# Altium PCB ISS_LAB_PCB.PcbDoc (part 6 of 8)
Units mm, origin at the board's own origin, x right, y up, seen from the top; angles counter-clockwise.
Board outline 247.67 x 135.97 mm, 2 copper layers (Top Layer, Bottom Layer); 165 components, 0 nets, 6045 pads, 3214 vias.
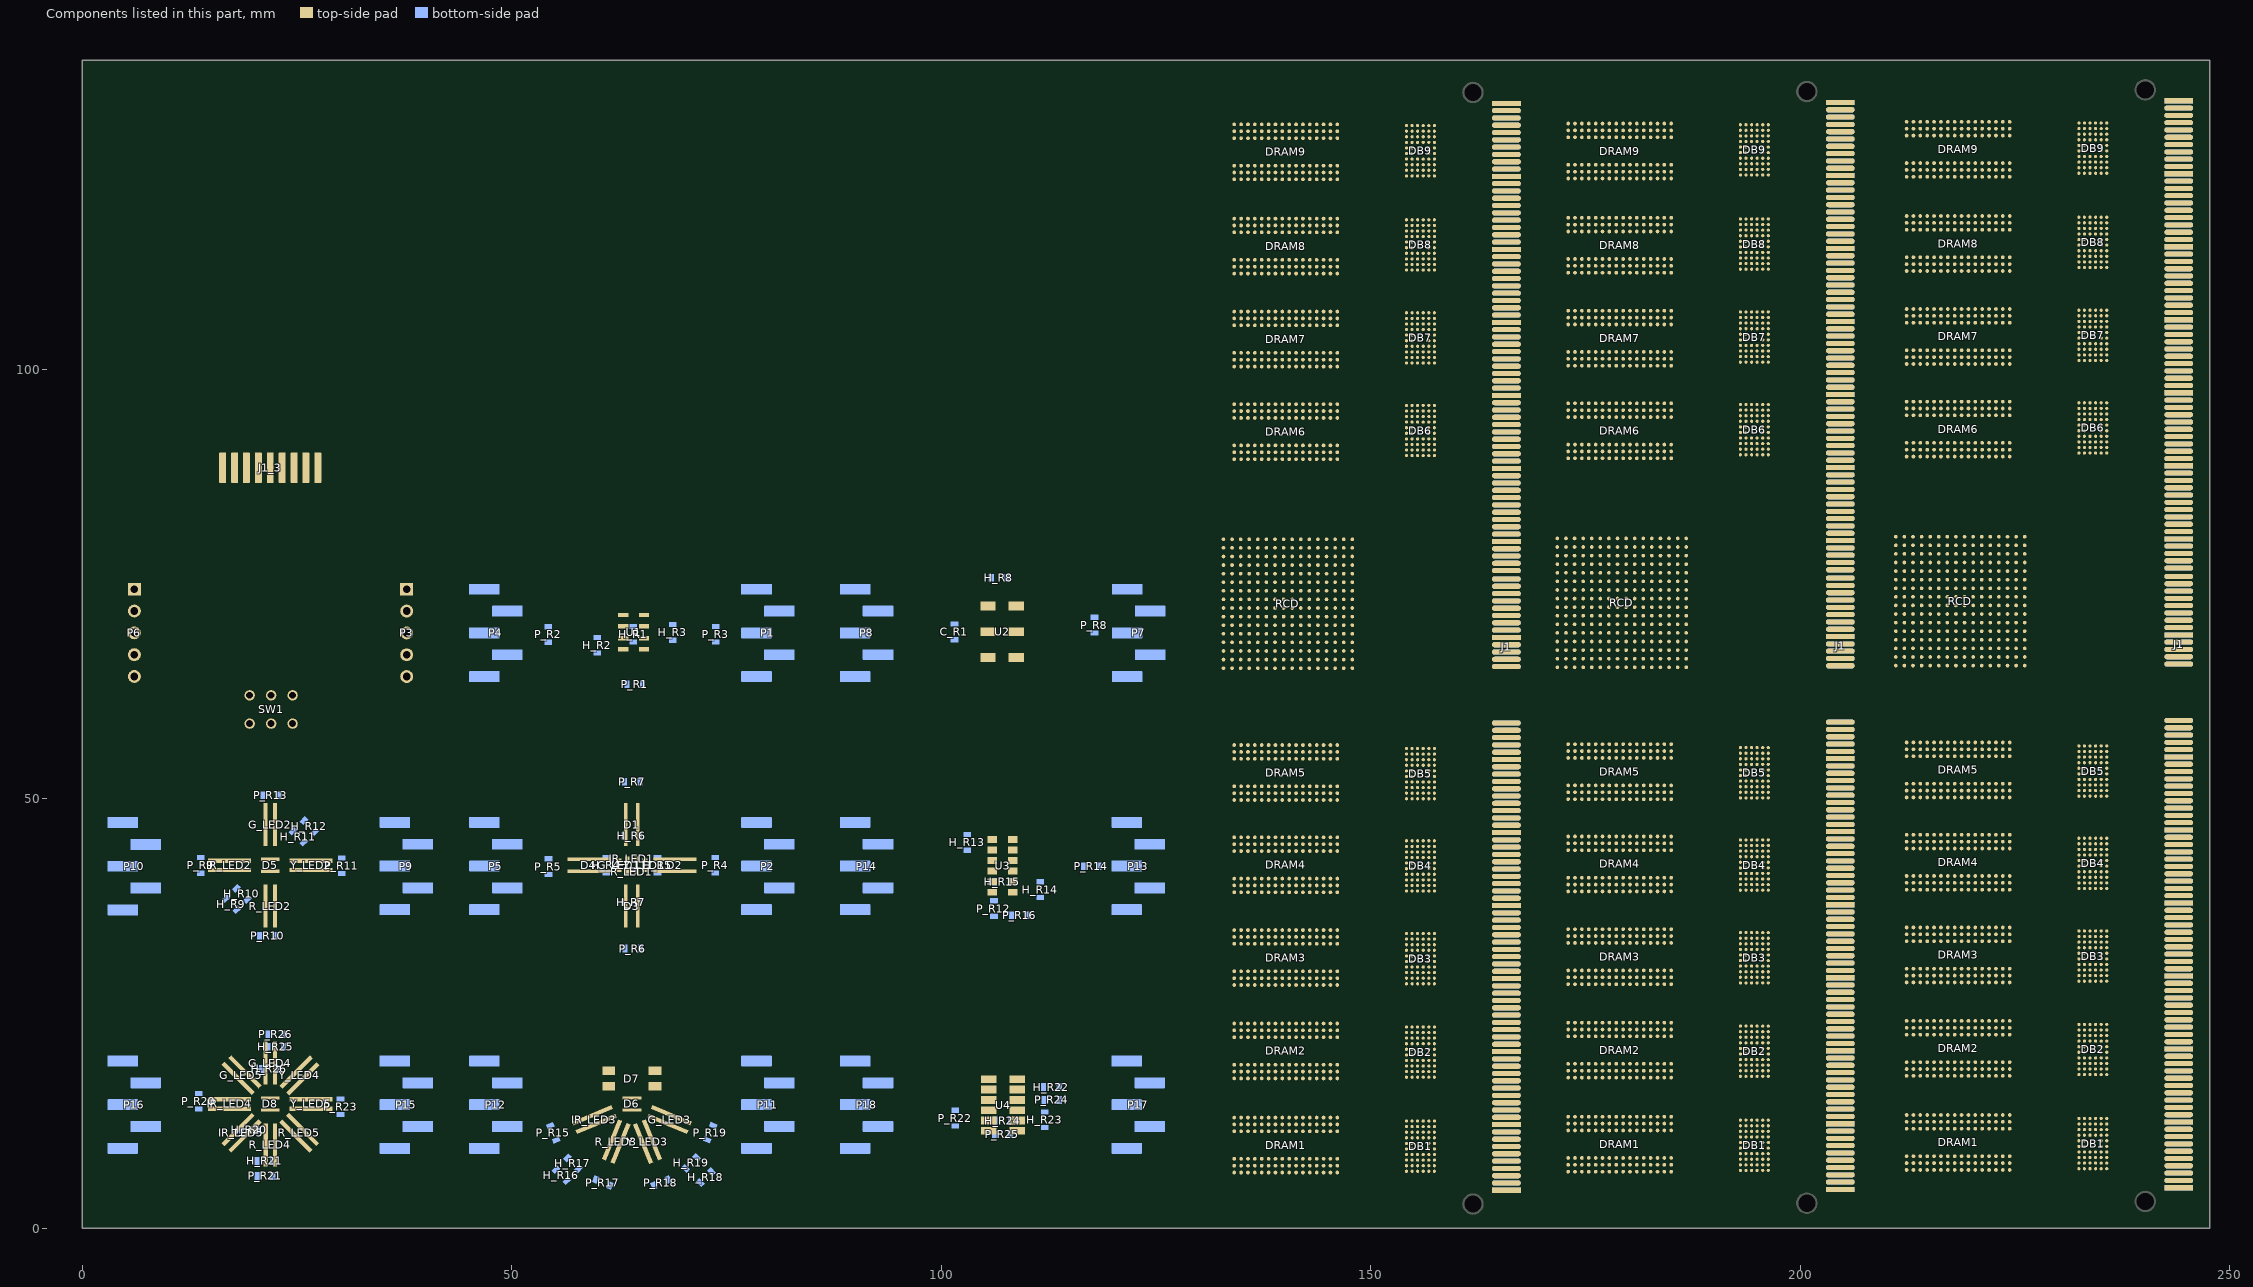
[diagram p6: the components of this part, seen from the top]

## Via types
v1: diameter 0.45, hole 0.203, Top Layer to Bottom Layer, 2685 vias
v2: diameter 1, hole 0.6, Top Layer to Bottom Layer, tented both sides, 414 vias
v3: diameter 0.6, hole 0.3, Top Layer to Bottom Layer, 52 vias
v4: diameter 0.6, hole 0.3, Top Layer to Bottom Layer, tented top, 33 vias
v5: diameter 0.8, hole 0.4, Top Layer to Bottom Layer, 21 vias
v6: diameter 3.5, hole 3.1, Top Layer to Bottom Layer, 3 vias
v7: diameter 2, hole 1.6, Top Layer to Bottom Layer, 3 vias
v8: diameter 1, hole 0.5, Top Layer to Bottom Layer, 3 vias

## Nets (pads, with @x,y where several pads share a name; then routed paths per layer and width w, separated by ;. In a path a pad name is that pad's centre, name@x,y a point inside that pad or via, vN(x,y) a via of type N, cw(c..) or ccw(c..) an arc to the next point about the centre after c; other vN are vias at no path point) (continued)
copper on no net: (continued)
  Top Layer w0.089: 221.985,123.991 222.053,124.059 222.053,124.237 v1(222.429,124.614) ; 221.985,127.191 221.985,127.179 222.48,126.684 v1(222.48,126.671) ; 222.131,71.49 222.185,71.49 222.604,71.07 v1(222.658,71.07) ; v1(222.15,63.984) 223.131,64.965 223.131,65.49 ; v1(222.353,27.535) 222.353,28.421 222.371,28.44 222.371,28.76 222.353,28.779 222.353,28.968 222.785,29.4 ; v1(222.353,41.556) 222.353,41.494 222.785,41.062 222.785,40.995 ; v1(222.378,19.915) 222.422,19.871 222.422,19.686 222.785,19.323 ; v1(222.378,38.355) 222.378,39.788 222.785,40.195 ; v1(222.378,91.949) 222.378,91.887 222.785,91.481 222.785,91.419 ; v1(222.404,5.513) 222.404,6.606 222.399,6.611 222.399,6.931 222.404,6.936 222.404,7.19 222.785,7.571 ; v1(222.404,16.714) 222.404,17.558 222.399,17.563 222.399,17.883 222.404,17.888 222.404,18.142 222.785,18.523 ; v1(222.404,30.811) 222.44,30.775 222.44,30.545 222.785,30.2 ; v1(222.404,99.544) 222.404,100.434 222.399,100.439 222.399,100.759 222.404,100.764 222.404,101.018 222.785,101.399 ; v1(222.404,121.54) 222.404,122.226 222.399,122.231 222.399,122.551 222.404,122.556 222.404,122.81 222.785,123.191 ; v1(222.429,9.069) 222.736,8.762 222.736,8.42 222.785,8.371 ; v1(222.429,52.325) 222.464,52.29 222.464,52.059 222.785,51.738 ; v1(222.429,88.952) 222.429,89.628 222.399,89.659 222.399,89.979 222.429,90.01 222.429,90.263 222.785,90.619 ; v1(222.429,110.313) 222.399,110.344 222.399,111.838 222.785,112.224 ; v1(222.455,48.896) 222.455,50.608 222.785,50.938 ; v1(222.607,81.459) 222.607,81.008 223.125,80.49 223.131,80.49 ; v1(222.632,72.036) 222.677,72.036 223.131,72.49 ; v1(222.658,73.991) 222.658,74.004 223.131,74.477 223.131,74.49 ; v1(222.683,72.95) 222.683,72.996 223.131,73.444 223.131,73.49 ; 222.785,11.571 226.139,8.217 232.438,8.217 ; 222.785,12.371 223.198,11.957 224.697,11.957 227.137,9.517 232.438,9.517 ; 222.785,22.523 226.139,19.169 232.438,19.169 ; 222.785,23.323 223.196,22.912 224.69,22.912 227.133,20.469 232.438,20.469 ; 222.785,33.4 226.139,30.046 232.438,30.046 ; 222.785,34.2 223.197,33.788 224.661,33.788 225.264,33.185 225.264,33.184 227.102,31.346 232.438,31.346 ; 222.785,44.195 226.139,40.841 232.438,40.841 ; 222.785,44.995 223.199,44.581 224.866,44.581 225.416,44.031 225.416,43.953 227.229,42.141 232.438,42.141 ; 222.785,54.938 226.139,51.584 232.438,51.584 ; 222.785,55.738 223.185,55.338 224.955,55.338 225.442,54.852 225.442,54.799 227.357,52.884 232.438,52.884 ; 222.785,94.619 225.875,91.529 232.438,91.529 ; 222.785,95.419 222.795,95.419 223.166,95.048 224.944,95.048 227.163,92.829 232.438,92.829 ; 222.785,102.199 222.785,102.276 223.217,102.708 v1(223.217,102.77) ; 222.785,105.399 225.875,102.309 232.438,102.309 ; 222.785,106.199 223.192,105.792 224.842,105.792 227.025,103.609 232.438,103.609 ; 222.785,113.024 223.122,113.361 223.122,113.521 v1(223.166,113.565) ; 222.785,116.224 225.875,113.134 232.438,113.134 ; 222.785,117.024 223.154,116.655 223.407,116.655 223.425,116.638 223.59,116.638 223.617,116.61 223.745,116.61 223.768,116.587 224.202,116.587 224.225,116.61 224.545,116.61 224.568,116.587 224.868,116.587 227.021,114.434 232.438,114.434 ; 222.785,123.991 222.785,124.048 223.242,124.505 v1(223.242,124.563) ; 222.785,127.191 225.875,124.101 232.438,124.101 ; 222.785,127.991 223.191,127.585 225.063,127.585 227.248,125.401 232.438,125.401 ; 223.131,71.49 223.155,71.49 223.625,71.02 v1(223.648,71.02) ; v1(223.496,63.984) 224.131,64.619 224.131,65.49 ; 223.585,7.571 223.585,7.507 223.907,7.185 227.981,7.185 228.364,7.567 232.438,7.567 ; 223.585,8.371 223.991,8.777 223.991,9.031 v1(224.004,9.044) ; 223.585,18.523 223.995,18.113 224.666,18.113 225.072,18.519 232.438,18.519 ; 223.585,19.323 223.935,19.673 223.935,19.846 v1(223.979,19.889) ; 223.585,29.4 223.971,29.014 224.797,29.014 225.179,29.396 232.438,29.396 ; 223.585,30.2 223.585,30.545 v1(223.852,30.811) ; 223.585,40.195 223.971,39.809 224.822,39.809 225.205,40.191 232.438,40.191 ; 223.585,40.995 223.928,41.338 v1(223.928,41.632) ; 223.585,50.938 223.971,50.552 224.974,50.552 225.356,50.934 232.438,50.934 ; 223.585,51.738 223.909,52.062 223.909,52.231 v1(223.953,52.274) ; 223.585,90.619 223.971,90.233 224.675,90.233 225.321,90.879 232.438,90.879 ; 223.585,91.419 223.874,91.708 223.874,91.972 v1(223.877,91.975) ; 223.585,101.399 223.971,101.013 224.685,101.013 225.332,101.659 232.438,101.659 ; 223.585,102.199 223.877,102.491 v1(223.877,102.795) ; 223.585,112.224 223.972,111.837 224.588,111.837 225.235,112.484 232.438,112.484 ; 223.585,113.024 223.909,113.348 223.909,113.546 v1(223.953,113.59) ; 223.585,123.191 223.971,122.805 224.837,122.805 225.483,123.451 232.438,123.451 ; 223.585,123.991 223.585,124.057 224.004,124.476 v1(224.004,124.537) ; v1(223.648,72.975) 223.648,72.991 224.131,73.474 224.131,73.49 ; v1(223.648,73.966) 223.648,73.987 224.131,74.469 224.131,74.49 ; v1(223.648,74.982) 223.648,74.995 224.131,75.477 224.131,75.49 ; v1(223.674,72.01) 223.674,72.021 224.131,72.479 224.131,72.49 ; v1(223.826,26.57) 225.02,26.57 226.519,28.068 233.06,28.068 233.738,28.746 ; v1(223.877,98.655) 224.995,98.655 226.544,100.204 232.933,100.204 233.738,101.009 ; v1(223.902,88.114) 225.274,88.114 226.493,89.333 232.842,89.333 233.738,90.229 ; v1(223.902,109.45) 223.953,109.399 225.198,109.399 226.696,110.898 232.802,110.898 233.738,111.834 ; v1(223.953,37.39) 224.029,37.466 225.147,37.466 226.519,38.838 232.716,38.838 232.742,38.863 233.06,38.863 233.738,39.541 ; v1(223.953,48.033) 223.979,48.058 225.299,48.058 226.696,49.455 232.909,49.455 233.738,50.284 ; v1(223.979,15.952) 225.376,15.952 226.468,17.045 232.914,17.045 233.738,17.869 ; v1(223.979,120.6) 223.979,120.575 224.004,120.55 225.655,120.55 227.052,121.947 232.884,121.947 233.738,122.801 ; v1(224.029,4.649) 227.712,4.649 229.211,6.148 232.969,6.148 233.738,6.917 ; 224.131,67.49 224.615,67.006 v1(224.664,67.006) ; 224.131,71.49 224.677,72.036 227.865,72.036 233.522,77.693 244.07,77.693 ; 224.131,80.49 224.08,80.541 224.08,80.722 v1@223.556,81.247 ; 224.385,11.571 224.842,11.114 v1(224.842,11.096) ; 224.385,22.523 224.867,22.041 225.052,22.041 v1(225.096,21.998) ; 224.385,33.4 224.489,33.4 v1(224.868,33.021) ; 224.385,44.195 224.713,43.867 v1(225.02,43.867) ; 224.385,54.938 224.437,54.938 224.688,54.687 v1(225.045,54.687) ; 224.385,94.619 224.693,94.311 v1(225.02,94.311) ; 224.385,105.399 224.754,105.03 v1(225.045,105.03) ; 224.385,116.224 224.733,115.876 v1(225.071,115.876) ; 224.385,127.191 224.663,126.913 v1(225.175,126.913) ; v1(224.487,81.357) 224.53,81.314 224.53,81.091 225.131,80.49 ; v1(224.664,73.966) 224.664,73.995 225.131,74.461 225.131,74.49 ; v1(224.766,63.984) 225.131,64.349 225.131,65.49 ; v1(224.868,27.84) 224.911,27.883 225.115,27.883 225.977,28.746 232.438,28.746 ; v1(224.893,5.869) 228.068,5.869 229.116,6.917 232.438,6.917 ; v1(225.02,38.711) 225.85,39.541 232.438,39.541 ; v1(225.071,49.379) 225.976,50.284 232.438,50.284 ; v1(225.071,100.128) 225.952,101.009 232.438,101.009 ; v1(225.075,89.263) 226.041,90.229 232.438,90.229 ; v1(225.122,110.872) 225.122,111.025 225.909,111.812 232.416,111.812 232.438,111.834 ; 225.131,66.49 225.503,66.118 225.503,65.661 225.515,65.649 225.515,65.331 225.503,65.319 v1(225.503,63.984) ; 225.131,67.49 225.589,67.032 v1(225.604,67.032) ; 225.131,68.49 225.187,68.49 v1(225.63,68.048) ; 225.131,69.49 225.608,69.013 v1(225.655,69.013) ; 225.131,70.49 225.194,70.49 225.68,70.004 226.569,70.004 v1(234.113,62.46) ; 225.131,71.49 225.131,71.466 225.604,70.993 v1(225.604,70.969) ; 225.131,72.49 225.588,72.49 226.013,72.915 226.991,72.915 233.47,79.393 244.07,79.393 ; 225.131,73.49 225.607,73.966 226.417,73.966 233.544,81.093 244.07,81.093 ; 225.131,75.49 225.169,75.528 225.169,75.817 225.655,76.303 225.655,77.598 225.96,77.903 226.265,77.903 232.855,84.493 244.07,84.493 ; v1(225.147,17.172) 225.147,17.197 225.782,17.832 232.401,17.832 232.438,17.869 ; v1(225.147,121.845) 226.103,122.801 232.438,122.801 ; v1(226.06,44.783) 232.396,44.783 232.438,44.741 ; v1(226.061,45.366) 226.074,45.378 232.425,45.378 232.438,45.391 ; v1(226.112,63.984) 226.131,64.003 226.131,65.49 ; 226.131,67.49 232.437,61.184 v1@232.437,57.177 ; 226.131,68.49 226.131,68.033 234.784,59.38 v1(234.784,56.731) ; 226.131,69.49 226.747,68.874 v1(226.747,68.861) ; 226.131,70.49 226.845,70.49 v1(233.554,63.781) ; 226.131,71.49 226.473,71.832 228.448,71.832 233.459,76.843 244.07,76.843 ; 226.131,72.49 226.821,72.49 v1(226.849,72.518) ; 226.131,73.49 226.551,73.49 226.823,73.763 226.823,73.915 v1(226.849,73.941) ; 226.131,74.49 226.773,75.132 226.773,75.719 v1(226.798,75.744) ; 226.131,75.49 226.131,75.915 226.747,76.531 226.747,77.7 v1(226.722,77.725) ; v1(226.315,9.247) 226.695,8.867 232.438,8.867 ; v1(226.315,20.194) 226.691,19.819 232.438,19.819 ; v1(226.315,23.09) 226.336,23.069 232.438,23.069 ; v1(226.341,41.987) 226.837,41.491 232.438,41.491 ; v1(226.341,52.681) 226.788,52.234 232.438,52.234 ; v1(226.341,128.322) 232.117,128.322 232.438,128.001 ; v1(226.366,23.75) 226.397,23.719 232.438,23.719 ; v1(226.366,31.116) 226.786,30.696 232.438,30.696 ; v1(226.366,33.936) 226.371,33.941 232.433,33.941 232.438,33.946 ; v1(226.366,103.125) 226.532,102.959 232.438,102.959 ; v1(226.366,124.741) 226.377,124.751 232.438,124.751 ; v1(226.366,128.957) 226.672,128.651 232.438,128.651 ; v1(226.392,34.621) 226.404,34.609 232.425,34.609 232.438,34.596 ; v1(226.392,55.475) 226.396,55.479 232.433,55.479 232.438,55.484 ; v1(226.392,56.135) 226.393,56.134 232.438,56.134 ; v1(226.392,95.454) 226.404,95.442 232.425,95.442 232.438,95.429 ; v1(226.392,96.089) 226.402,96.079 232.438,96.079 ; v1(226.392,106.173) 226.427,106.209 232.438,106.209 ; v1(226.392,113.793) 226.401,113.784 232.438,113.784 ; v1(226.392,117.222) 226.58,117.034 232.438,117.034 ; v1(226.417,117.806) 226.539,117.684 232.438,117.684 ; v1(226.442,92.279) 226.543,92.179 232.438,92.179 ; v1(226.442,106.834) 226.455,106.846 232.425,106.846 232.438,106.859 ; v1(226.468,44.365) v1@226.493,44.39 ; v1(226.519,116.206) 226.54,116.206 226.718,116.384 232.438,116.384 ; v1(226.595,94.565) 226.808,94.779 232.438,94.779 ; v1(226.62,105.36) 226.819,105.559 232.438,105.559 ; v1(226.696,127.179) 226.868,127.351 232.438,127.351 ; v1(226.823,11.482) 226.838,11.467 232.438,11.467 ; v1(226.9,43.943) 226.961,43.943 227.109,44.091 232.438,44.091 ; v1(226.9,115.749) 226.915,115.734 232.438,115.734 ; v1(226.95,104.929) 226.97,104.909 232.438,104.909 ; v1(226.976,54.56) 227.249,54.834 232.438,54.834 ; v1(226.976,94.134) 226.98,94.129 232.438,94.129 ; v1(227.103,126.696) 227.107,126.701 232.438,126.701 ; v1(227.128,33.123) 227.301,33.296 232.438,33.296 ; v1(227.204,21.972) 227.651,22.419 232.438,22.419 ; v1(227.331,54.154) 227.361,54.184 232.438,54.184 ; v1(227.357,43.486) 227.379,43.464 232.415,43.464 232.438,43.441 ; v1(227.509,32.615) 227.525,32.63 232.422,32.63 232.438,32.646 ; v1(227.56,21.49) 227.839,21.769 232.438,21.769 ; v1(227.789,76.252) 233.48,81.943 244.07,81.943 ; v1(227.814,72.645) 233.712,78.543 244.07,78.543 ; v1(227.814,77.217) 233.39,82.793 244.07,82.793 ; v1(227.839,80.011) 232.945,85.117 239.295,85.117 239.521,85.343 244.07,85.343 ; v1(227.865,74.449) 233.659,80.243 244.07,80.243 ; v1(227.865,78.284) 233.224,83.643 244.07,83.643 ; v1(227.865,81.154) 231.98,85.269 237.923,85.269 238.847,86.193 244.07,86.193 ; v1(227.941,82.373) 231.86,86.292 236.662,86.292 237.413,87.043 244.07,87.043 ; v1(228.17,10.618) 228.368,10.817 232.438,10.817 ; v1(228.957,12.142) 228.982,12.117 232.438,12.117 ; v1(230.075,12.777) 230.085,12.767 232.438,12.767 ; v1(230.786,115.089) 230.79,115.084 232.438,115.084 ; v1(230.811,104.268) 230.82,104.259 232.438,104.259 ; v1(230.837,126.061) 230.847,126.051 232.438,126.051 ; v1(230.862,93.499) 230.882,93.479 232.438,93.479 ; v1(230.938,42.826) 230.955,42.808 232.421,42.808 232.438,42.791 ; v1(230.989,21.109) 230.999,21.119 232.438,21.119 ; v1(231.014,32.005) 231.024,31.996 232.438,31.996 ; v1(231.04,10.212) 231.085,10.167 232.438,10.167 ; v1(231.04,53.57) 231.058,53.552 232.42,53.552 232.438,53.534 ; v1(231.675,13.819) 232.335,13.158 232.639,13.158 232.681,13.117 232.738,13.117 233.088,12.767 ; v1(231.7,24.741) 232.31,24.131 232.676,24.131 233.088,23.719 ; v1(231.802,35.587) 231.802,35.282 232.107,34.977 232.707,34.977 233.088,34.596 ; v1(231.802,46.356) 232.198,45.96 232.519,45.96 233.088,45.391 ; v1(231.878,57.151) 231.878,56.719 232.03,56.567 232.655,56.567 233.088,56.134 ; v1(232.005,107.85) 232.005,107.545 232.208,107.342 232.488,107.342 232.97,106.859 233.088,106.859 ; v1@232.005,118.822 232.005,118.767 233.088,117.684 ; v1(232.056,97.182) 232.056,96.75 232.284,96.521 232.691,96.521 233.088,96.124 233.088,96.079 ; v1(232.259,129.643) 232.259,129.313 232.462,129.109 232.792,129.109 233.088,128.814 233.088,128.651 ; v1(232.869,13.819) 233.738,12.949 233.738,12.767 ; v1(232.907,46.601) 232.907,46.367 233.34,45.934 233.494,45.934 233.738,45.69 233.738,45.391 ; v1(232.919,24.792) 233.738,23.973 233.738,23.719 ; v1(232.97,35.587) 233.738,34.819 233.738,34.596 ; 232.996,57.177 232.996,57.149 233.738,56.407 233.738,56.134 ; v1(233.123,107.85) 233.738,107.234 233.738,106.859 ; v1@233.148,118.848 233.738,118.258 233.738,117.684 ; v1@233.199,97.156 233.738,96.617 233.738,96.079 ; v1(233.427,129.643) 233.738,129.332 233.738,128.651 ; v1(233.554,103.887) 233.961,103.887 234.215,104.141 234.215,104.598 234.332,104.715 234.332,104.853 234.388,104.909 ; v1(233.625,93.268) 233.811,93.268 233.79,93.289 234.311,93.81 234.311,93.992 234.418,94.099 234.388,94.129 ; v1(233.631,20.778) 233.961,20.778 234.072,20.89 234.072,21.425 234.305,21.657 234.328,21.657 234.388,21.718 234.388,21.769 ; v1(233.758,9.806) 233.758,9.856 234.149,10.247 234.149,10.376 234.381,10.608 234.388,10.608 234.388,10.817 ; v1(233.859,114.352) 234.215,114.708 234.764,114.708 235.038,114.434 ; v1(233.891,42.013) 233.935,42.013 234.287,42.364 234.815,42.364 235.038,42.141 ; v1(233.91,31.235) 233.91,31.269 234.21,31.569 234.815,31.569 235.038,31.346 ; v1(233.91,92.737) 234.19,93.017 234.773,93.017 234.961,92.829 235.038,92.829 ; v1(233.935,125.299) 234.316,125.68 234.759,125.68 235.038,125.401 ; v1(233.961,103.506) 234.367,103.913 234.734,103.913 235.038,103.609 ; v1(233.986,13.819) 234.388,13.417 234.388,12.767 ; v1(234.037,9.323) 234.296,9.323 234.381,9.239 234.666,9.239 235.038,8.867 ; v1@234.037,46.331 234.388,45.98 234.388,45.391 ; v1(234.139,24.792) 234.388,24.542 234.388,23.719 ; v1(234.139,35.612) 234.423,35.327 234.423,34.632 234.388,34.596 ; v1(234.175,57.113) 234.175,57.089 234.388,56.876 234.388,56.134 ; v1@234.266,118.848 234.388,118.725 234.388,117.684 ; v1(234.275,32.608) 234.275,32.435 234.293,32.417 234.332,32.417 234.332,32.59 v1@234.388,32.646 ; v1(234.275,94.713) 234.275,94.55 234.217,94.608 v1@234.388,94.779 ; v1(234.291,107.85) 234.335,107.806 234.335,106.912 234.388,106.859 ; v1(234.367,52.782) 234.49,52.782 235.038,52.234 ; 234.381,126.694 234.388,126.701 ; 234.388,6.917 234.418,6.887 v1(234.418,5.132) ; 234.388,17.869 234.388,16.617 v1(236.729,14.276) ; 234.388,28.746 234.388,27.463 v1(236.475,25.376) ; 234.388,39.541 234.388,38.334 v1(236.501,36.222) ; 234.388,50.284 234.388,49.256 v1@236.399,47.245 ; 234.388,90.229 234.388,88.83 v1@236.526,86.691 ; 234.388,96.079 234.388,97.202 v1(234.393,97.207) ; 234.388,101.009 234.388,100.082 v1(236.704,97.766) ; 234.388,111.834 234.388,110.699 v1(236.653,108.434) ; 234.388,122.801 234.388,121.697 v1(236.602,119.483) ; 234.388,128.651 234.388,129.435 234.57,129.617 234.57,129.643 v1@234.596,129.668 ; v1(234.465,42.064) 235.038,41.491 ; v1(234.469,21.227) 234.577,21.119 235.038,21.119 ; v1(234.469,115.114) 234.499,115.084 235.038,115.084 ; v1@234.47,114.352 235.038,113.784 ; v1(234.475,93.413) 234.541,93.479 235.038,93.479 ; v1(234.494,103.506) 235.038,102.962 235.038,102.959 ; v1(234.494,125.299) 235.038,124.756 235.038,124.751 ; v1(234.52,53.595) 234.581,53.534 235.038,53.534 ; v1(234.52,104.344) 234.605,104.259 235.038,104.259 ; v1(234.52,126.163) 234.621,126.265 234.799,126.265 235.013,126.051 235.038,126.051 ; v1(234.545,9.635) 234.782,9.635 234.851,9.704 235.038,9.517 ; v1(234.545,10.212) 234.59,10.167 235.038,10.167 ; v1(234.672,32.022) 234.995,32.022 235.003,32.031 235.038,31.996 ; v1(234.697,42.843) 234.749,42.791 235.038,42.791 ; v1(234.926,19.78) 234.926,19.931 v1@235.038,19.819 ; v1(234.926,30.803) 234.858,30.803 234.965,30.696 v1@235.038,30.696 ; v1(234.925,92.292) 234.925,92.255 235.001,92.179 v1@235.038,92.179 ; 235.038,6.917 235.042,6.917 235.042,6.083 v1(236.602,4.522) ; 235.038,12.767 235.038,13.728 v1(235.155,13.844) ; 235.038,17.869 235.038,17.237 v1(236.704,15.571) ; 235.038,23.719 235.038,24.599 v1(235.282,24.842) ; 235.038,28.746 235.038,28.134 v1(236.45,26.722) ; 235.038,34.596 235.294,34.852 v1(235.294,35.856) ; 235.038,39.541 235.038,39.005 v1(236.45,37.593) ; 235.038,45.391 235.038,45.471 235.19,45.623 235.19,46.244 235.155,46.28 v1(235.155,46.356) ; 235.038,50.284 235.038,49.673 v1(236.323,48.388) ; 235.038,56.134 235.181,56.277 v1(235.181,57.151) ; 235.038,90.229 235.038,89.526 v1(236.501,88.063) ; 235.038,96.079 235.038,96.608 v1@235.586,97.156 ; 235.038,101.009 235.038,100.929 235.19,100.777 235.19,100.448 v1(236.679,98.96) ; 235.038,106.859 235.459,107.28 v1(235.459,107.85) ; 235.038,111.834 235.038,111.268 v1(236.628,109.678) ; 235.038,117.684 235.409,118.055 v1@235.409,118.848 ; 235.038,122.801 235.038,122.216 v1(236.577,120.677) ; 235.038,128.651 235.764,129.377 v1(235.764,129.643) v1@235.764,129.668 ; 235.688,6.917 237.903,4.702 244.07,4.702 ; 235.688,7.567 235.688,7.556 237.974,5.27 v1(237.974,5.259) ; 235.688,8.217 238.353,5.552 244.07,5.552 ; 235.688,8.867 235.725,8.867 237.936,6.656 v1(237.974,6.656) ; 235.688,9.517 238.803,6.402 244.07,6.402 ; 235.688,10.167 235.71,10.167 237.952,7.926 v1(237.974,7.926) ; 235.688,10.817 239.253,7.252 244.07,7.252 ; 235.688,11.467 237.959,9.196 v1(237.974,9.196) ; 235.688,12.117 236.298,12.117 v1(236.729,11.685) ; 235.688,12.767 v1(235.688,13.844) ; 235.688,17.869 237.805,15.752 244.07,15.752 ; 235.688,18.518 v1(237.999,16.206) ; 235.688,19.169 238.255,16.602 244.07,16.602 ; 235.688,19.819 235.688,19.788 v1(237.999,17.476) ; 235.688,20.469 238.705,17.452 244.07,17.452 ; 235.688,21.119 237.999,18.808 v1(237.999,18.797) ; 235.688,21.769 239.155,18.302 244.07,18.302 ; 235.688,22.419 237.964,20.143 v1(237.974,20.143) ; 235.688,23.069 236.124,22.633 v1(236.704,22.633) ; 235.688,23.719 235.688,24.741 v1(235.815,24.868) ; 235.688,28.746 237.632,26.802 244.07,26.802 ; 235.688,29.396 237.727,27.357 v1(237.771,27.357) ; 235.688,30.046 238.082,27.652 244.07,27.652 ; 235.688,30.696 237.745,28.639 v1(237.745,28.576) ; 235.688,31.346 238.532,28.502 244.07,28.502 ; 235.688,31.996 235.688,31.929 v1(237.695,29.922) ; 235.688,32.646 238.982,29.352 244.07,29.352 ; 235.688,33.296 237.69,31.294 v1(237.695,31.294) ; 235.688,33.946 236.232,33.402 v1(236.755,33.402) ; 235.688,34.596 235.866,34.774 v1(235.866,35.612) ; 235.688,39.541 237.377,37.852 244.07,37.852 ; 235.688,40.191 237.575,38.304 v1(237.618,38.304) ; 235.688,40.841 237.827,38.702 244.07,38.702 ; 235.688,41.491 235.688,41.454 v1(237.669,39.473) ; 235.688,42.141 238.277,39.552 244.07,39.552 ; 235.688,42.791 237.685,40.794 v1(237.695,40.794) ; 235.688,43.441 238.727,40.402 244.07,40.402 ; 235.688,44.091 237.695,42.084 v1(237.695,42.064) ; 235.688,44.741 236.156,44.273 v1(236.755,44.273) ; 235.688,45.391 235.701,45.404 235.701,46.344 v1(235.713,46.356) ; 235.688,50.284 237.07,48.902 244.07,48.902 ; 235.688,50.934 237.294,49.328 v1(237.364,49.328) ; 235.688,51.584 237.52,49.752 244.07,49.752 ; 235.688,52.234 237.39,50.532 v1(237.39,50.522) ; 235.688,52.884 237.97,50.602 244.07,50.602 ; 235.688,53.534 237.354,51.868 v1(237.415,51.868) ; 235.688,54.184 238.42,51.452 244.07,51.452 ; 235.688,54.834 237.384,53.138 v1(237.415,53.138) ; 235.688,55.484 236.104,55.068 v1(236.628,55.068) ; 235.688,56.134 235.775,56.221 v1(235.775,57.113) ; 235.688,90.229 238.024,87.893 244.07,87.893 ; 235.688,91.529 238.474,88.743 244.07,88.743 ; 235.688,92.178 v1(237.745,90.12) ; 235.688,92.829 238.924,89.593 244.07,89.593 ; 235.688,93.479 237.72,91.447 v1(237.72,91.441) ; 235.688,94.129 239.374,90.443 244.07,90.443 ; 235.688,94.779 237.832,92.635 v1(237.847,92.635) ; 235.688,95.429 236.018,95.099 v1(236.653,95.099) ; 235.688,96.079 235.688,96.75 v1(236.12,97.182) ; 235.688,101.009 237.754,98.943 244.07,98.943 ; 235.688,101.659 237.651,99.696 v1@237.695,99.696 ; 235.688,102.309 238.204,99.793 244.07,99.793 ; 235.688,102.959 237.72,100.927 v1(237.72,100.915) ; 235.688,103.609 238.654,100.643 244.07,100.643 ; 235.688,104.259 237.711,102.236 v1(237.72,102.236) ; 235.688,104.909 239.104,101.493 244.07,101.493 ; 235.688,105.559 237.715,103.532 v1(237.745,103.532) ; 235.688,106.209 236.262,106.209 v1(236.653,105.818) ; 235.688,106.859 236.018,107.189 v1(236.018,107.85) ; 235.688,111.834 237.529,109.993 244.07,109.993 ; 235.688,112.484 237.618,110.554 v1(237.618,110.542) ; 235.688,113.134 237.979,110.843 244.07,110.843 ; 235.688,113.784 237.635,111.837 v1(237.644,111.837) ; 235.688,114.434 238.429,111.693 244.07,111.693 ; 235.688,115.084 237.618,113.154 v1(237.618,113.133) ; 235.688,115.734 238.879,112.543 244.07,112.543 ; 235.688,116.384 v1(237.644,114.428) ; 235.688,117.034 236.059,116.663 v1(236.653,116.663) ; 235.688,117.684 235.967,117.963 v1(235.967,118.873) ; 235.688,122.801 237.446,121.043 244.07,121.043 ; 235.688,123.451 237.497,121.642 v1(237.517,121.642) ; 235.688,124.101 237.896,121.893 244.07,121.893 ; 235.688,124.751 237.517,122.922 v1(237.517,122.912) ; 235.688,125.401 238.346,122.743 244.07,122.743 ; 235.688,126.051 237.466,124.273 v1(237.466,124.233) ; 235.688,126.701 238.796,123.593 244.07,123.593 ; 235.688,127.351 235.688,127.306 v1(237.466,125.528) ; 235.688,128.001 236.415,128.001 v1(236.704,127.712) ; 235.688,128.651 236.348,129.311 v1(236.348,129.643) ; 235.717,90.879 235.688,90.879 237.767,88.8 v1(237.771,88.8) ; v1(236.628,107.85) v1@236.628,107.9 ; v1(239.676,124.41) 239.692,124.427 244.054,124.427 244.07,124.443 ; v1(239.752,52.351) 239.776,52.326 244.046,52.326 244.07,52.302 ; v1(239.777,102.363) 239.787,102.353 244.06,102.353 244.07,102.343 ; v1(239.803,113.412) 239.812,113.403 244.06,113.403 244.07,113.393 ; v1(240.031,91.314) 244.049,91.314 244.07,91.293 ; v1(240.133,125.274) 240.143,125.284 244.06,125.284 244.07,125.293 ; v1(240.133,126.138) 240.136,126.14 244.067,126.14 244.07,126.143 ; v1(240.133,41.251) 244.069,41.251 ; v1(240.158,127.839) 240.16,127.841 244.068,127.841 244.07,127.843 ; v1(240.285,103.227) 240.302,103.21 244.053,103.21 244.07,103.193 ; v1(240.285,114.225) 244.052,114.225 244.07,114.243 ; v1(240.311,104.04) 240.313,104.041 244.068,104.041 244.07,104.043 ; v1(240.311,115.089) 240.313,115.091 244.068,115.091 244.07,115.093 ; v1(240.336,30.151) 240.362,30.177 244.044,30.177 244.07,30.202 ; v1(240.336,105.716) 244.043,105.716 244.07,105.743 ; v1(240.336,116.765) 240.35,116.779 244.056,116.779 244.07,116.793 ; v1(240.438,19.127) 240.462,19.152 244.07,19.152 ; v1(240.514,8.053) 240.539,8.078 244.045,8.078 244.07,8.102 ; v1(240.641,92.152) 240.646,92.148 244.065,92.148 244.07,92.143 ; v1(240.641,94.667) 240.654,94.68 244.057,94.68 244.07,94.693 ; v1@240.666,53.163 240.672,53.158 244.064,53.158 244.07,53.152 ; v1(240.666,54.027) 240.679,54.015 244.058,54.015 244.07,54.002 ; v1(240.666,93.041) 240.691,93.017 244.046,93.017 244.07,92.993 ; v1(240.717,55.703) 244.069,55.703 ; v1(240.768,44.654) 240.769,44.653 244.069,44.653 244.07,44.652 ; v1(240.793,42.114) 240.8,42.108 244.064,42.108 244.07,42.102 244.032,42.064 243.867,42.064 ; v1(240.793,42.902) 240.819,42.927 244.045,42.927 244.07,42.952 ; v1(240.895,31.929) 244.043,31.929 244.07,31.902 ; v1(240.895,33.605) 240.898,33.602 244.07,33.602 ; v1(240.92,31.04) 240.926,31.046 244.064,31.046 244.07,31.052 ; v1(240.946,128.703) 240.951,128.698 244.065,128.698 244.07,128.693 ; v1(241.022,117.578) 241.055,117.61 244.037,117.61 244.07,117.643 ; v1(241.047,19.966) 241.066,19.984 244.052,19.984 244.07,20.002 ; v1(241.073,20.778) 243.996,20.778 244.07,20.852 ; v1(241.073,22.556) 241.077,22.552 244.07,22.552 ; v1(241.124,11.482) 241.144,11.502 244.07,11.502 244.06,11.492 ; v1(241.149,8.942) 241.154,8.947 244.065,8.947 244.07,8.952 ; v1(241.149,9.899) 243.973,9.899 244.07,9.802 ; v1(241.149,12.287) 241.149,12.333 241.168,12.352 244.07,12.352 244.064,12.346 ; v1(241.2,56.567) 241.207,56.56 244.063,56.56 244.07,56.552 ; v1(241.225,106.605) 241.231,106.599 244.064,106.599 244.07,106.593 ; v1(241.276,95.556) 241.282,95.55 244.064,95.55 244.07,95.543 ; v1(241.378,45.493) 241.382,45.497 244.065,45.497 244.07,45.502 ; v1(241.505,34.469) 241.513,34.461 244.062,34.461 244.07,34.452 ; v1(241.53,23.369) 241.546,23.386 244.054,23.386 244.07,23.402 ; v1@145.283,80.947 145.283,81.019 145.27,81.032 v1(145.248,81.032) 145.248,80.981 v1@145.283,80.947 ; v1@184.156,81.047 184.156,81.119 184.143,81.132 v1(184.121,81.132) 184.121,81.081 v1@184.156,81.047 ; v1@223.556,81.247 223.556,81.319 223.543,81.332 v1(223.521,81.332) 223.521,81.281 v1@223.556,81.247
  Top Layer w0.3: v3(8.05,47.625) 8.49,47.625 8.52,47.655 17.27,47.655 20.949,43.976 20.949,42.98 20.999,42.93 21.895,42.93 ; v3(8.495,46.73) 8.52,46.755 16.897,46.755 20.27,43.382 20.27,42.386 20.945,41.711 20.945,41.58 20.995,41.53 21.895,41.53 ; 9.05,47.725 9.49,47.725 9.52,47.755 18.27,47.755 21.949,44.076 21.949,43.08 21.999,43.03 22.895,43.03 ; 9.495,46.83 9.52,46.855 17.897,46.855 21.27,43.482 21.27,42.486 21.945,41.811 21.945,41.68 21.995,41.63 22.895,41.63 ; v3@12.4,13.88 18.15,13.88 ; v3(12.445,41.68) 16.02,41.68 ; 13.4,13.98 19.15,13.98 ; 13.445,41.78 17.02,41.78 ; v3(15.075,16.05) 15.075,15.05 16.925,15.05 ; 16.075,16.15 16.075,15.15 17.925,15.15 ; v3@16.145,43.83 16.145,42.93 16.095,42.88 16.195,42.78 17.145,42.78 ; 17.145,13.905 19.35,13.905 19.45,13.805 19.325,13.805 19.325,13.375 19.615,13.085 19.615,12.943 18.152,11.48 18.152,11.548 v3(17.45,12.25) ; 17.145,41.68 17.32,41.68 17.42,41.58 v3@17.42,40.58 ; 17.145,43.93 17.145,43.03 17.095,42.98 17.195,42.88 18.145,42.88 ; 17.15,15.005 17.27,15.005 17.37,15.105 ; v3(17.675,16.5) 18.4,17.225 17.975,17.65 ; 18.145,14.005 20.35,14.005 20.45,13.905 20.325,13.905 20.325,13.475 20.615,13.185 20.615,13.043 19.152,11.58 19.152,11.648 18.45,12.35 ; 18.145,41.78 18.32,41.78 18.42,41.68 v2@18.42,40.68 ; 18.15,15.105 18.27,15.105 18.37,15.205 ; 18.15,17.427 18.152,17.427 ; 18.546,10.125 18.546,9.954 v3(19.225,9.275) ; 18.675,16.6 19.4,17.325 18.975,17.75 ; 18.93,10.702 18.943,10.715 19.085,10.715 ; 19.009,18.205 18.93,18.205 20.341,16.794 20.482,16.794 20.793,17.105 21.245,17.105 ; 19.051,18.451 v3(19.625,19.025) ; 19.15,17.527 19.152,17.527 ; 19.546,10.225 19.546,10.054 20.225,9.375 ; 19.93,10.802 19.943,10.815 20.085,10.815 ; 20.009,18.305 19.93,18.305 21.341,16.894 21.482,16.894 21.793,17.205 22.245,17.205 ; 20.051,18.551 20.625,19.125 ; v3(20.22,37.755) 21.243,37.755 21.345,37.653 21.345,37.48 ; v3(20.245,46.755) 21.27,46.755 ; v3(20.3,10.15) 20.3,10.3 20.45,10.15 21.35,10.15 21.35,9.7 ; 21.22,37.855 22.243,37.855 22.345,37.753 22.345,37.58 ; 21.245,46.855 22.27,46.855 ; 21.245,47.98 21.345,47.88 21.345,46.98 ; 21.3,10.25 21.3,10.4 21.45,10.25 22.35,10.25 22.35,9.8 ; 21.305,18.2 v3@21.305,23.95 ; 21.345,19.2 21.345,19.55 ; 22.245,48.08 22.345,47.98 22.345,47.08 ; 22.305,18.3 22.305,24.05 ; 22.345,19.3 22.345,19.65 ; 22.445,36.405 22.52,36.48 v3(23.545,36.48) ; 22.45,9.7 22.45,8.025 22.55,7.925 v3(23.875,7.925) ; 22.45,19.205 22.445,19.2 22.445,20.075 22.67,19.85 v3(23.875,19.85) ; 22.545,11.875 22.975,11.875 23.265,12.165 ; 22.545,46.705 22.445,46.805 22.445,46.98 22.445,47.83 22.545,47.93 v3(23.545,47.93) ; v3@23.445,36.505 23.52,36.58 24.545,36.58 ; 23.45,9.8 23.45,8.125 23.55,8.025 24.875,8.025 ; 23.45,19.305 23.445,19.3 23.445,20.175 23.67,19.95 24.875,19.95 ; 23.545,11.975 23.975,11.975 24.265,12.265 ; 23.545,46.805 23.445,46.905 23.445,47.08 23.445,47.93 23.545,48.03 24.545,48.03 ; v3(23.85,18.525) 24.564,17.811 24.911,18.159 ; 24.185,15.815 24.475,15.525 24.475,15.095 ; 24.85,18.625 25.564,17.911 25.911,18.259 ; 24.911,18.264 24.911,18.159 ; 25.1,12 v3@25.719,12.619 ; 25.111,18.264 25.064,18.311 ; 25.185,15.915 25.475,15.625 25.475,15.195 ; 25.648,11.479 25.648,11.48 ; 25.668,19.057 25.668,18.916 25.064,18.311 ; 25.911,18.364 25.911,18.259 ; 26.1,12.1 26.719,12.719 ; 26.111,18.364 26.064,18.411 ; 26.37,42.88 26.47,42.78 26.645,42.78 27.795,42.78 27.82,42.805 ; v3(26.445,40.555) 26.445,41.58 26.545,41.68 26.645,41.68 27.545,41.68 27.645,41.58 ; 26.648,11.579 26.648,11.58 ; 26.65,13.9 26.645,13.905 27.405,13.905 27.497,13.997 27.497,13.905 v3@27.497,12.825 ; 26.659,14.991 26.645,15.005 31.435,15.005 v3(31.465,14.975) ; 26.668,19.157 26.668,19.016 26.064,18.411 ; 26.925,18.5 v3(27.7,17.725) ; 27.37,42.98 27.47,42.88 27.645,42.88 28.795,42.88 28.82,42.905 ; v3@27.4,12.825 v3@27.497,12.825 ; 27.445,40.655 27.445,41.68 27.545,41.78 27.645,41.78 28.545,41.78 28.645,41.68 ; v3(27.5,12.825) v3@27.497,12.825 ; 27.65,14 27.645,14.005 28.405,14.005 28.497,14.097 28.497,14.005 28.497,12.925 ; 27.659,15.091 27.645,15.105 32.435,15.105 32.465,15.075 ; v3(27.895,43.905) 27.895,42.88 27.82,42.805 ; 27.925,18.6 28.7,17.825 ; 28.4,12.925 28.497,12.925 ; 28.5,12.925 28.497,12.925 ; 28.895,44.005 28.895,42.98 28.82,42.905 ; v3(31.395,42.805) 27.82,42.805 ; 32.395,42.905 28.82,42.905 ; v3(50.55,47.25) 53.625,47.25 55.915,44.96 55.915,42.856 56.091,42.68 56.469,42.68 56.645,42.856 56.645,42.88 56.695,42.93 58.995,42.93 59.925,42.93 59.925,48.6 61.875,50.55 64.175,50.55 64.695,50.03 64.695,46.98 ; v5(50.725,19.92) 50.86,19.92 51.065,20.125 53.995,20.125 55.82,18.3 61.303,18.3 66.687,18.3 66.687,16.5 65.487,16.5 64.945,15.958 64.945,15.2 64.895,15.15 63.995,15.15 ; 51.55,47.35 54.625,47.35 56.915,45.06 56.915,42.956 57.091,42.78 57.469,42.78 57.645,42.956 57.645,42.98 57.695,43.03 59.995,43.03 60.925,43.03 60.925,48.7 62.875,50.65 65.175,50.65 65.695,50.13 65.695,47.08 ; v3(51.65,46.45) 53.152,46.45 55.015,44.587 55.015,42.483 55.718,41.78 56.469,41.78 56.645,41.604 56.645,41.58 56.695,41.53 58.995,41.53 ; 51.725,20.02 51.86,20.02 52.065,20.225 54.995,20.225 56.82,18.4 62.303,18.4 67.687,18.4 67.687,16.6 66.487,16.6 65.945,16.058 65.945,15.3 65.895,15.25 64.995,15.25 ; 52.65,46.55 54.152,46.55 56.015,44.687 56.015,42.583 56.718,41.88 57.469,41.88 57.645,41.704 57.645,41.68 57.695,41.63 59.995,41.63 ; v5(53.245,10.675) v5@53.245,10.638 ; 54.245,10.775 54.245,10.738 ; v3(54.245,71.025) 55.245,70.025 v4(61.345,70.025) 62.955,70.025 62.995,70.065 ; 55.245,71.125 56.245,70.125 62.345,70.125 63.955,70.125 63.995,70.165 ; v5(55.913,9.054) 56.77,10.875 59.817,12.124 ; 56.913,9.154 57.77,10.975 60.817,12.224 ; v3(59.05,45.625) 59.05,49.925 61.1,51.975 v3(62.125,51.975) ; 59.396,13.14 53.258,10.643 v5@53.245,10.638 ; v4(59.945,65.725) 61.595,67.375 62.995,67.375 ; 60.05,45.725 60.05,50.025 62.1,52.075 63.125,52.075 ; 60.396,13.24 54.258,10.743 54.245,10.738 ; 60.945,65.825 62.595,67.475 63.995,67.475 ; v3(60.95,39.875) 60.95,41.55 ; v3(60.975,44.525) 60.975,45.75 61.625,46.4 63.275,46.4 63.295,46.42 63.295,46.98 ; v4(61.345,68.725) 61.365,68.705 62.975,68.705 62.995,68.685 ; 61.669,10.272 60.47,7.4 58.569,6.3 v5(58.513,6.268) 57.101,7.68 55.902,7.68 55.726,7.504 55.726,7.255 59.402,3.579 78.728,3.579 79.77,4.621 79.77,5.348 v5(79.693,5.425) ; 61.95,39.975 61.95,41.65 ; 61.975,44.625 61.975,45.85 62.625,46.5 64.275,46.5 64.295,46.52 64.295,47.08 ; v3(62.325,37.925) 62.382,37.982 62.382,41.58 62.482,41.68 62.495,41.68 ; v3(62.325,45.625) 62.382,45.568 62.382,42.881 62.482,42.781 62.495,42.781 62.45,42.826 ; 62.345,68.825 62.365,68.805 63.975,68.805 63.995,68.785 ; v5@62.545,4.475 cw(c62.545,4.777) v5(62.332,4.563) 62.245,4.65 61.599,7.288 62.685,9.851 ; 62.669,10.372 61.47,7.5 59.569,6.4 59.513,6.368 58.101,7.78 56.902,7.78 56.726,7.604 56.726,7.355 60.402,3.679 79.728,3.679 80.77,4.721 80.77,5.448 v5@80.693,5.525 ; 63.275,37.475 63.275,34.65 63.7,34.225 65.5,34.225 68.975,37.7 68.975,41.525 ; 63.275,37.725 63.325,37.675 ; 63.325,38.025 63.382,38.082 63.382,41.68 63.482,41.78 63.495,41.78 ; 63.325,45.725 63.382,45.668 63.382,42.981 63.482,42.881 63.495,42.881 63.45,42.926 ; 63.332,4.663 63.245,4.75 62.599,7.388 63.685,9.951 ; v4(63.425,40.887) 63.435,40.897 63.435,41.47 63.445,41.48 ; v4(63.425,43.575) 63.425,43 63.445,42.98 ; 64.275,37.575 64.275,34.75 64.7,34.325 66.5,34.325 69.975,37.8 69.975,41.625 ; 64.275,37.825 64.325,37.775 ; v4@64.425,40.987 64.435,40.997 64.435,41.57 64.445,41.58 ; v4@64.425,43.675 64.425,43.1 64.445,43.08 ; 64.545,41.48 64.548,41.478 64.548,40.889 v4(64.55,40.887) ; 64.545,42.98 64.548,42.982 64.548,43.573 v4(64.55,43.575) ; 64.645,46.78 64.695,46.73 ; 64.695,37.48 64.695,37.275 64.745,37.225 v3(66.6,37.225) ; 64.7,47.225 69.44,47.225 72.32,44.345 72.32,42.045 71.8,41.525 68.975,41.525 ; 65.305,9.851 66.845,6.05 68.095,4.8 v5(70.42,4.8) 71.595,5.975 75.418,5.975 76.145,6.702 76.145,14.375 75.295,15.225 75.295,16.048 v5(75.372,16.125) ; v4@65.395,66.125 65.395,67.375 ; 65.395,68.685 v4(67.005,68.685) 67.005,63.985 v4(66.445,63.425) ; 65.395,69.985 v4(67.005,69.985) ; 65.495,41.68 65.675,41.5 65.675,38.125 v3(65.65,38.1) ; 65.495,42.781 65.593,42.878 65.593,45.568 v3(65.65,45.625) ; 65.546,41.58 65.548,41.578 65.548,40.989 65.55,40.987 ; 65.546,43.08 65.548,43.082 65.548,43.673 65.55,43.675 ; 65.645,46.88 65.695,46.83 ; 65.695,37.58 65.695,37.375 65.745,37.325 67.6,37.325 ; 65.7,47.325 70.44,47.325 73.32,44.445 73.32,42.145 72.8,41.625 69.975,41.625 ; 66.305,9.951 67.845,6.15 69.095,4.9 71.42,4.9 72.595,6.075 76.418,6.075 77.145,6.802 77.145,14.475 76.295,15.325 76.295,16.148 76.372,16.225 ; 66.321,10.272 67.545,7.275 v5(69.17,6.2) ; 66.395,66.225 66.395,67.475 ; 66.395,68.785 68.005,68.785 68.005,64.085 67.445,63.525 ; 66.395,70.085 68.005,70.085 ; 66.495,41.78 66.675,41.6 66.675,38.225 66.65,38.2 ; 66.495,42.881 66.593,42.978 66.593,45.668 66.65,45.725 ; 67.175,42.975 v3(67.175,44.5) ; 67.321,10.372 68.545,7.375 70.17,6.3 ; 68.173,12.124 71.67,10.75 v5(72.295,8.975) 72.295,7.251 72.671,6.875 75.045,6.875 75.295,7.125 75.295,13.952 74.395,14.852 74.395,16.048 v5(74.318,16.125) ; 68.175,43.075 68.175,44.6 ; 68.5,41.525 68.55,41.575 ; 68.594,13.14 71.77,11.85 v5(73.895,13) ; 68.75,41.525 68.975,41.525 ; 69.173,12.224 72.67,10.85 73.295,9.075 73.295,7.351 73.671,6.975 76.045,6.975 76.295,7.225 76.295,14.052 75.395,14.952 75.395,16.148 v5@75.318,16.225 ; 69.5,41.625 69.55,41.675 ; 69.594,13.24 72.77,11.95 74.895,13.1 ; 69.75,41.625 69.975,41.625 ; v5(80.747,5.425) 80.67,5.348 80.67,4.248 79.422,3 58.709,3 54.826,6.883 54.826,9.004 53.245,10.585 v5@53.245,10.638 ; 81.747,5.525 81.67,5.448 81.67,4.348 80.422,3.1 59.709,3.1 55.826,6.983 55.826,9.104 54.245,10.685 54.245,10.738 ; v4(103.745,13.725) 105.545,13.725 ; 104.745,13.825 106.545,13.825 ; 105.545,11.325 105.545,10.425 105.945,10.025 110.945,10.025 112.045,11.125 112.045,16.625 111.345,17.325 v4(110.645,17.325) 108.845,17.325 ; 105.545,12.525 103.345,12.525 102.145,13.725 102.145,17.425 103.445,18.725 106.545,18.725 107.245,18.025 107.245,16.725 107.545,16.425 108.545,16.425 108.845,16.125 v4(110.645,16.125) ; 106.545,11.425 106.545,10.525 106.945,10.125 111.945,10.125 113.045,11.225 113.045,16.725 112.345,17.425 111.645,17.425 109.845,17.425 ; 106.545,12.625 104.345,12.625 103.145,13.825 103.145,17.525 104.445,18.825 107.545,18.825 108.245,18.125 108.245,16.825 108.545,16.525 109.545,16.525 109.845,16.225 111.645,16.225 ; 108.845,11.325 v4(110.645,11.325) ; 108.845,12.525 v4@110.545,12.525 ; 108.845,13.725 v4(110.645,13.725) ; 109.845,11.425 111.645,11.425 ; 109.845,12.625 111.545,12.625 ; 109.845,13.825 111.645,13.825 ; 24.911,18.159 25.064,18.311 ; 25.911,18.259 26.064,18.411
  Top Layer w0.381: v4(21.895,13.155) 21.895,13.75 ; 22.895,13.255 22.895,13.85 ; v5(51.47,19.175) 51.522,19.227 53.563,19.227 56.29,16.5 61.303,16.5 61.553,16.5 61.862,16.191 61.862,14.983 63.095,13.75 63.995,13.75 ; 52.47,19.275 52.522,19.327 54.563,19.327 57.29,16.6 62.303,16.6 62.553,16.6 62.862,16.291 62.862,15.083 64.095,13.85 64.995,13.85 ; 52.714,76.125 v3@52.714,76.616 ; v3(53.705,76.625) 53.705,76.135 53.695,76.125 53.695,75.388 54.208,74.875 61.445,74.875 61.454,74.866 62.605,74.866 64.586,72.885 64.586,72.184 64.986,71.785 64.986,71.435 65.045,71.375 65.395,71.375 ; 53.714,76.225 v3@53.714,76.716 ; 54.705,76.725 54.705,76.235 54.695,76.225 54.695,75.488 55.208,74.975 62.445,74.975 62.455,74.966 63.605,74.966 65.586,72.985 65.586,72.284 65.986,71.885 65.986,71.535 66.045,71.475 66.395,71.475 ; 105.545,14.925 103.345,14.925 102.945,15.325 102.945,16.825 103.445,17.325 105.545,17.325 ; 106.545,15.025 104.345,15.025 103.945,15.425 103.945,16.925 104.445,17.425 106.545,17.425
  Top Layer w0.4: 6.07,71.84 6.084,71.84 6.854,72.61 9.228,72.61 17.542,80.924 17.542,88.326 17.735,88.518 ; 6.07,74.38 6.84,73.61 8.814,73.61 16.542,81.338 16.542,88.326 16.35,88.518 ; 7.07,71.94 7.084,71.94 7.854,72.71 10.228,72.71 18.542,81.024 18.542,88.426 18.735,88.618 ; 7.07,74.48 7.84,73.71 9.814,73.71 17.542,81.438 17.542,88.426 17.35,88.618 ; 18.595,65.88 17.795,65.08 ; 19.595,65.98 18.795,65.18 ; 21.89,88.518 21.89,82.585 22.775,81.7 22.775,71.56 16.995,65.78 16.995,61.08 18.195,59.88 20.845,59.88 21.995,58.73 ; 21.895,15.15 v4(21.895,15.755) ; 21.995,62.03 20.745,60.78 18.495,60.78 17.795,61.48 17.795,65.08 ; 22.89,88.618 22.89,82.685 23.775,81.8 23.775,71.66 17.995,65.88 17.995,61.18 19.195,59.98 21.845,59.98 22.995,58.83 ; 22.895,15.25 22.895,15.855 ; 22.995,62.13 21.745,60.88 19.495,60.88 18.795,61.58 18.795,65.18 ; 24.495,58.73 24.495,59.646 24.729,59.88 28.209,59.88 30.295,61.966 30.295,66.553 v5(30.322,66.58) ; 24.495,62.03 24.495,61.114 24.729,60.88 27.795,60.88 29.295,62.38 29.295,66.553 v5(29.268,66.58) ; 24.66,88.518 24.66,82.545 23.775,81.66 23.775,71.146 17.795,65.08 ; 25.495,58.83 25.495,59.746 25.729,59.98 29.209,59.98 31.295,62.066 31.295,66.653 31.322,66.68 ; 25.495,62.13 25.495,61.214 25.729,60.98 28.795,60.98 30.295,62.48 30.295,66.653 v5@30.268,66.68 ; 25.66,88.618 25.66,82.645 24.775,81.76 24.775,71.246 18.795,65.18 ; 26.045,88.518 26.237,88.326 26.237,80.974 34.612,72.6 36.986,72.6 37.756,71.83 37.77,71.83 ; 27.045,88.618 27.237,88.426 27.237,81.074 35.612,72.7 37.986,72.7 38.756,71.93 38.77,71.93 ; 27.43,88.518 27.237,88.326 27.237,81.388 35.026,73.6 37,73.6 37.77,74.37 ; 28.43,88.618 28.237,88.426 28.237,81.488 36.026,73.7 38,73.7 38.77,74.47 ; v3(52.705,76.625) v3@52.714,76.616 ; 52.714,76.125 52.714,74.955 53.785,73.885 54.186,73.885 54.195,73.875 62.195,73.875 63.695,72.375 63.695,72.075 63.395,71.775 63.395,71.425 63.345,71.375 62.995,71.375 ; v3@53.705,76.725 v3@53.714,76.716 ; 53.714,76.225 53.714,75.055 54.785,73.985 55.186,73.985 55.195,73.975 63.195,73.975 64.695,72.475 64.695,72.175 64.395,71.875 64.395,71.525 64.345,71.475 63.995,71.475 ; v3(92.545,42.125) 99.345,42.125 v4(105.045,36.425) ; 93.545,42.225 100.345,42.225 106.045,36.525 ; v3(94.345,49.425) 94.345,48.411 95.731,47.025 106.259,47.025 106.645,46.639 106.645,45.659 106.411,45.425 106.145,45.425 105.945,45.225 ; v3(94.645,75.611) 94.645,70.225 94.645,69.611 102.931,61.325 106.259,61.325 108.045,63.111 108.045,64.125 110.345,64.125 112.145,65.925 112.145,67.725 110.445,69.425 108.745,69.425 ; v3(95.345,49.425) 95.345,48.825 96.145,48.025 106.673,48.025 107.645,47.053 107.645,45.659 107.879,45.425 108.145,45.425 108.345,45.225 ; v3@95.345,49.525 95.345,48.511 96.731,47.125 107.259,47.125 107.645,46.739 107.645,45.759 107.411,45.525 107.145,45.525 106.945,45.325 ; v3(95.645,75.611) 95.645,70.025 103.345,62.325 105.845,62.325 106.514,62.994 106.514,63.856 106.245,64.125 104.245,64.125 102.545,65.825 102.545,68.125 103.845,69.425 105.445,69.425 ; v3@95.645,75.711 95.645,70.325 95.645,69.711 103.931,61.425 107.259,61.425 109.045,63.211 109.045,64.225 111.345,64.225 113.145,66.025 113.145,67.825 111.445,69.525 109.745,69.525 ; 96.345,49.525 96.345,48.925 97.145,48.125 107.673,48.125 108.645,47.153 108.645,45.759 108.879,45.525 109.145,45.525 109.345,45.325 ; 96.645,75.711 96.645,70.125 104.345,62.425 106.845,62.425 107.514,63.094 107.514,63.956 107.245,64.225 105.245,64.225 103.545,65.925 103.545,68.225 104.845,69.525 106.445,69.525 ; v4(103.845,16.125) 105.545,16.125 105.795,15.875 106.895,15.875 107.595,15.175 108.595,15.175 108.845,14.925 ; v4(103.945,66.425) 105.445,66.425 ; v4(104.045,72.425) 105.445,72.425 v4(105.445,74.125) 106.445,75.125 114.845,75.125 v3(117.845,72.125) ; v4(104.425,44.005) 105.945,44.005 105.945,42.777 108.345,42.777 ; v4(104.445,40.325) 105.945,40.325 ; v4(104.465,39.105) 105.945,39.105 ; 104.845,16.225 106.545,16.225 106.795,15.975 107.895,15.975 108.595,15.275 109.595,15.275 109.845,15.025 ; 104.945,66.525 106.445,66.525 ; 105.045,72.525 106.445,72.525 106.445,74.225 107.445,75.225 115.845,75.225 118.845,72.225 ; 105.425,44.105 106.945,44.105 106.945,42.877 109.345,42.877 ; 105.445,40.425 106.945,40.425 ; 105.465,39.205 106.945,39.205 ; 105.945,41.553 108.345,41.553 109.361,41.553 109.965,42.157 109.965,43.505 ; 106.945,41.653 109.345,41.653 110.361,41.653 110.965,42.257 110.965,43.605 ; 108.345,39.105 108.387,39.063 109.807,39.063 v4(109.845,39.025) ; 108.345,40.325 108.35,40.32 109.85,40.32 v4(109.856,40.314) ; 108.345,44.005 109.465,44.005 109.965,43.505 ; 108.745,66.425 v4(110.645,66.425) ; 108.745,72.425 110.011,72.425 110.645,73.059 v4(110.645,74.125) ; 109.345,39.205 109.387,39.163 110.807,39.163 110.845,39.125 ; 109.345,40.425 109.35,40.42 110.85,40.42 110.856,40.414 ; 109.345,44.105 110.465,44.105 110.965,43.605 ; 109.745,66.525 111.645,66.525 ; 109.745,72.525 111.011,72.525 111.645,73.159 111.645,74.225 ; v4(110.545,46.125) 109.965,45.545 109.965,43.505 ; 111.545,46.225 110.965,45.645 110.965,43.605
  Top Layer w0.6: 6.07,64.22 6.07,66.76 ; 7.07,64.32 7.07,66.86 ; 19.091,88.489 19.12,88.518 ; 20.091,88.589 20.12,88.618 ; v3(32.4,47.35) 32.425,47.325 v3(32.425,41.3) ; v3(33.2,19.7) 33.2,14.325 v5(33.225,14.3) ; 33.4,47.45 33.425,47.425 33.425,41.4 ; 34.2,19.8 34.2,14.425 34.225,14.4 ; v5(52.675,42.95) 52.675,40.175 59.8,33.05 66.125,33.05 73.525,40.45 v3(73.575,40.45) ; 53.675,43.05 53.675,40.275 60.8,33.15 67.125,33.15 74.525,40.55 74.575,40.55 ; v5(67.375,32.275) 67.975,32.275 75.4,39.7 v5(75.4,42.25) 75.45,42.3 v5(75.45,48.325) ; 68.375,32.375 68.975,32.375 76.4,39.8 76.4,42.35 76.45,42.4 76.45,48.425
  Top Layer w0.8: 6.07,69.3 12.965,69.3 v8@20.445,76.78 ; 7.07,69.4 13.965,69.4 21.445,76.88 ; 19.12,88.518 20.505,88.518 ; 20.12,88.618 21.505,88.618 ; v8@20.505,76.84 20.505,88.13 ; 21.505,76.94 21.505,88.23 ; 23.275,88.518 23.275,83.55 v8(23.295,83.53) ; 24.275,88.618 24.275,83.65 24.295,83.63 ; v8(26.395,76.83) 33.935,69.29 37.77,69.29 37.73,69.33 37.71,69.31 ; 27.395,76.93 34.935,69.39 38.77,69.39 38.73,69.43 38.71,69.41